# KiCad board pmi_2023.kicad_pcb (continued)
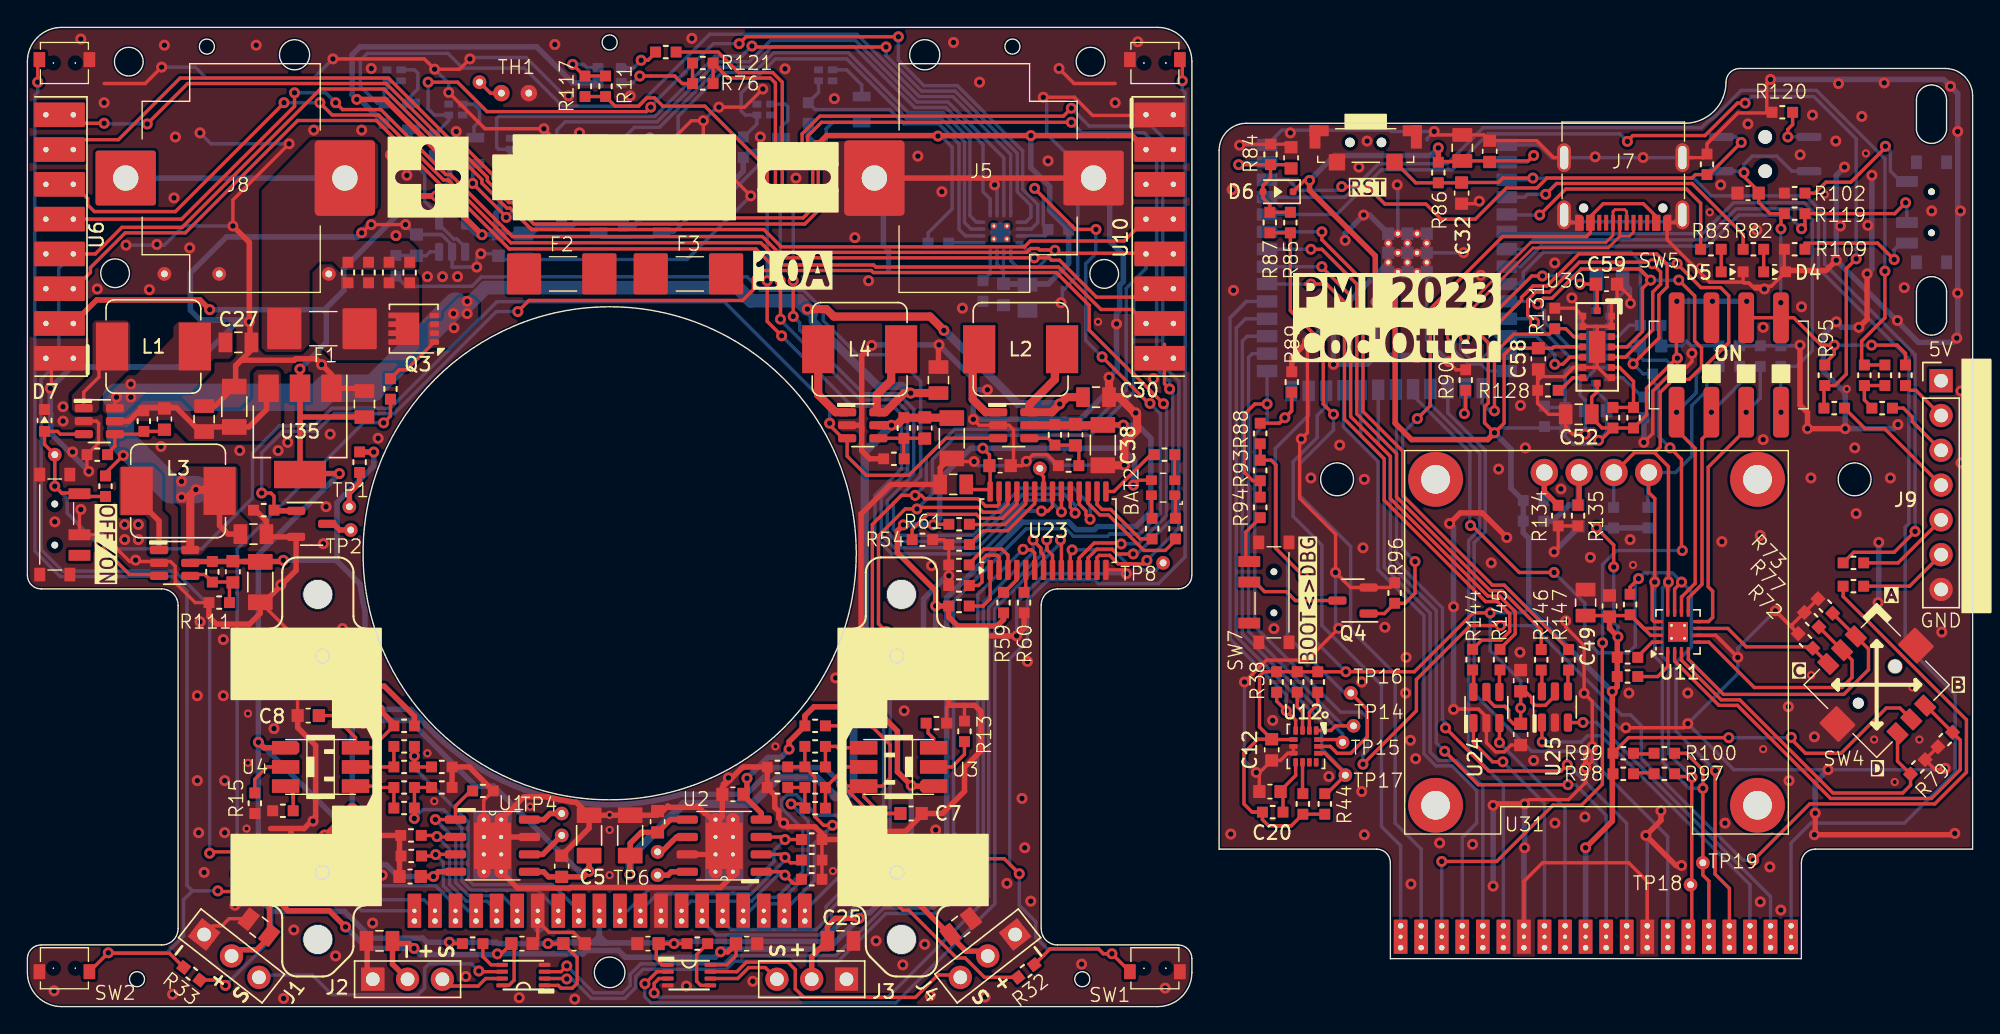
[diagram p0: board, top side]
## Routing (per net, layer and track width the routed paths; a pad name or vN(x,y) marks a point on that pad's centre or on a via; arc(x,y) is an arc through that point) (continued)
  Bottom w0.25: v1(116.79,63.17) 116.24,63.72 106.61,63.72 103.99,61.1 98.82,61.1 95.56,57.84 U32.36 ; v1(133.49,54.6) 133.49,63.36 130.4,66.45 125.86,66.45 v1(125.38,65.97) 125.38,65.91 125.39,65.9
/boards interface/com/esp32_dbg_tx_3v3: length 3.4
  Top w0.25: R92.2 R91.2 134.09,44.3 134.64,43.75 R137.1
/boards interface/com/esp32_vbatt_mon_1v8: length 11.5
  Top w0.25: R84.2 90.74,60.5 90.19,59.95 D6.2 90.19,59.05 90.69,58.55 R87.1 R85.1 ; R84.2 91.96,61.47 C33.1 ; R84.2 v1(88.41,61.47) 88.39,61.5
  Bottom w0.25: U32.39 88.59,61.65 v1(88.41,61.47)
/boards interface/com/i_prop_left_3v3: length 42.9
  Bottom w0.25: 102.39,45.1 102.39,44.01 106.01,40.39 106.01,34.85 105.2,34.03 105.2,18.72 107.74,16.19 J49.6
/boards interface/com/i_prop_right_3v3: length 49.5
  Bottom w0.25: U32.17 103.68,43.36 106.41,40.62 106.41,34.68 105.6,33.87 105.6,22.85 109.8,18.65 113.5,18.65 119.74,12.42 J49.14
/boards interface/com/led_com_3v3: length 18.9
  Top w0.25: 121.84,55.15 121.94,55.25 ; v1(110.39,57.8) 112.29,59.7 121.1,59.7 122.14,58.66 R83.1
  Bottom w0.25: v1(110.39,57.8) 108.03,57.8 U32.5
/boards interface/com/led_esp_3v3: length 20.3
  Top w0.25: R82.1 125.24,56.38 121.51,60.1 111.61,60.1 v1(110.83,59.31)
  Bottom w0.25: v1(110.83,59.31) 109.5,59.31 109.3,59.11 U32.4
/boards interface/com/left_encod_A_3v3: length 39
  Top w0.25: 93.29,52.76 94.83,52.76 96.14,51.45 96.14,42.9 99.04,40 99.04,36.98 106.44,29.58 107.3,29.58 108.2,28.67 108.2,27.39 107.57,26.76 106.16,26.76 R144.2
  Bottom w0.25: 93.29,52.76 U32.32
  vias: v1(93.69,52.76)
/boards interface/com/left_encod_B_3v3: length 38.8
  Top w0.25: v1(94.49,54.03) 94.49,54 96.59,51.9 96.59,43.09 99.49,40.19 99.49,37.09 106.61,29.97 107.47,29.97 108.6,28.84 108.6,27.22 107.49,26.11 R145.2
  Bottom w0.25: U32.33 v1(94.49,54.03)
/boards interface/com/pwm_left: length 45.1
  Bottom w0.25: U32.23 96.06,42.33 98.59,39.8 98.59,31.9 101.94,28.55 101.94,18.45 102.82,17.57 104,17.57 105.79,15.79 105.79,13.4 104.74,12.35 J49.4
/boards interface/com/pwm_right: length 51
  Top w0.25: v1(112.45,16.2) 105.9,16.2 v1(103.45,18.65)
  Bottom w0.25: v1(112.45,16.2) 113,16.2 115.24,13.96 J49.11 ; v1(103.45,18.65) 102.84,19.26 102.84,28.92 99.49,32.27 99.49,40.17 98.6,41.06 U32.21
/boards interface/com/right_encod_A_3v3: length 42.9
  Top w0.25: 100.39,37.32 106.94,30.78 107.8,30.78 112.5,26.08 R147.2 ; 100.39,37.32 100.39,37.8 ; 100.39,37.32 100.39,37.8 ; v1(94.49,56.57) 94.49,56 97.49,53 97.49,43.46 100.39,40.56 100.39,37.8
  Bottom w0.25: U32.35 v1(94.49,56.57)
/boards interface/com/right_encod_B_3v3: length 40.4
  Top w0.25: R146.2 110.5,27.51 107.63,30.38 106.77,30.38 99.94,37.21 99.94,40.37 97.04,43.27 97.04,52.75 94.49,55.3 v1(93.69,55.3)
  Bottom w0.25: U32.34 v1(93.69,55.3)
/boards interface/com/start_robot_3v3: length 40
  Top w0.25: v1(95.94,59.88) 97.81,59.88 99.09,58.6 102.09,58.6 103.19,57.5 105.69,57.5 107.96,59.78 110.19,59.78 110.91,60.5 121.5,60.5 121.75,60.75 R122.1 122.75,60.75 v1(125.1,63.1)
  Bottom w0.25: v1(95.94,59.88) 95.66,59.6 92.81,59.6 92.03,60.38 U32.38 ; U18.4 124.7,63.5 v1(125.1,63.1)
/boards interface/com/USB_D+: length 24.7
  Top w0.2: J7.A6 116.74,58.05 116.59,58.2 115.89,58.2 115.74,58.05 J7.B6 115.74,56.32 115.22,55.8 109.74,55.8 104.25,50.31 104.25,49.2 v1(103.95,48.9) 104,48.9
  Bottom w0.2: U32.14 106.59,46.41 106.1,46.9 105.2,46.9 104.2,47.9 104.2,48.65 v1(103.95,48.9)
/boards interface/com/USB_D-: length 23.2
  Top w0.2: v1(104.9,48.89) 104.6,49.19 104.6,50.1 109.9,55.4 115.39,55.4 116.24,56.25 ; J7.B7 117.24,56.55 116.94,56.25 116.24,56.25 ; J7.A7 116.24,56.25
  Bottom w0.2: v1(104.9,48.89) 104.6,48.59 104.6,47.99 105.34,47.25 106.1,47.25 106.53,47.68 U32.13
/boards interface/com/USB_VBUS: length 47.2
  Top w0.25: v1(101.29,32.5) 101.29,30.19 100.55,29.45 R96.1 99.05,28.7 Q4.1 ; J7.A4 118.89,57.69 117.95,58.62 115.02,58.62 114.09,57.69 J7.A9 114.09,56.5 113.81,56.22 107.68,56.22 102.4,50.94 102.4,43.87 v1(101.46,42.93)
  Bottom w0.25: v1(101.29,32.5) 100.39,33.4 100.39,41.86 v1(101.46,42.93)
/boards interface/i2C_io_int_3v3: length 98
  Top w0.25: v1(81.94,44.05) 81.84,44.05 v1(78.44,47.44) ; 67.6,11.6 67.03,12.18 61.68,12.18 61.5,12 v1(61,12) ; v1(78,56.75) 76.5,56.75 73.52,59.73 v1(73.52,59.75)
  Bottom w0.25: J50.17 52.73,7 53.73,8 54.73,8 56.59,9.86 56.59,12.96 55.07,14.49 55.07,15.08 55.46,15.47 56.12,15.47 57.63,13.97 59.03,13.97 v1(61,12) ; v1(81.94,44.05) 82.7,43.29 82.7,36.03 81.18,34.51 79.01,34.51 78.86,34.36 76.35,34.36 75.81,34.9 72.92,34.9 67.6,29.58 67.6,12.7 67.85,12.45 v1(67.85,11.6) ; U7.11 74.28,56.28 74.75,56.75 ; v1(73.52,59.75) 74.15,59.12 74.15,57.1 R9.2 ; v1(78,56.75) 78,55 77.25,54.25 77.25,48.64 v1(78.44,47.44) 78.5,47.44
  Bottom w0.4: J50.17 J50.17
/boards interface/i2c_io_int_3v3: length 70.1
  Top w0.25: v1(117.6,31.25) 116.99,30.64 R115.2 ; v1(120.74,31) 120.24,30.5 U11.11 ; v1(123.21,17.22) 123.19,17.2 123.19,9.68 124.24,8.62 J49.17 ; v1(111.44,31.7) 108.89,31.7 105.46,35.12 v1(105.34,35.12)
  Bottom w0.25: v1(123.21,17.22) 120.34,20.1 120.34,25.14 121.46,26.26 121.46,30.27 v1(120.74,31) 120.74,31 120.07,31.67 118.03,31.67 v1(117.6,31.25) 117.36,31.01 117.36,26.33 116.86,25.83 114.69,25.83 113.69,26.82 113.69,29.45 v1(111.44,31.7) ; v1(105.34,35.12) 105.29,35.17 105.29,40.48 101.14,44.62 U32.19
/boards interface/i_prop_left_3v3: length 15.5
  Top w0.25: v1(29.78,13.66) 29.78,13.66 U1.1 31.25,14.65 32.35,15.75 R7.1
  Bottom w0.25: J50.6 34.65,8.1 32.21,8.1 31.26,9.05 31.26,12.18 v1(29.78,13.66)
  Bottom w0.4: J50.6 J50.6
/boards interface/i_prop_right_3v3: length 12.7
  Top w0.25: v1(55.3,9.6) 55.06,9.84 U2.1 ; v1(55.3,9.6) 55.9,9 56.5,9 ; v1(55.3,9.6) 55.29,9.59
  Bottom w0.25: J50.14 48.45,7.7 52.87,7.7 54.77,9.6 v1(55.3,9.6)
  Bottom w0.4: J50.14 J50.14
/boards interface/interface/conf0: length 21.1
  Top w0.25: U11.10 120.74,29.9 121.74,30.9 121.74,40.76 120.37,42.13 120.37,43.63
  Bottom w0.25: v1(120.38,43.4) 121.8,44.82 121.8,46.1 122.45,46.75 R68.1
/boards interface/interface/conf1: length 19.8
  Top w0.25: 122.91,43.63 122.91,42.11 122.24,41.44 122.24,30.84 121.24,29.84 U11.9
  Bottom w0.25: R69.1 124.99,45.47 v1(122.92,43.4)
/boards interface/interface/conf2: length 21.5
  Top w0.25: 125.45,43.63 125.45,42.15 122.69,39.39 122.69,30.66 123.01,30.34 123.01,28.41 122.71,28.11 U11.8
  Bottom w0.25: R70.1 126.49,44.43 v1(125.46,43.4)
/boards interface/interface/conf3: length 39.5
  Bottom w0.25: U32.7 109.24,55.3 109.92,55.98 122.46,55.98 124.72,58.25 129.5,58.25 130.29,57.46 130.29,47.9 129.14,46.75 R71.1 127.99,43.41 v1(128,43.4)
/boards interface/interface/select0: length 25.8
  Top w0.25: U11.3 120.74,25.3 123.63,22.4 124.99,22.4 131.79,15.6 136.89,15.6 137.46,16.17 R79.1 136.51,17.92 SW4.6
/boards interface/interface/select1: length 20.8
  Top w0.25: U11.4 121.24,25.36 123.8,22.8 132.59,22.8 134.39,24.6 134.39,26.12 SW4.1 133.45,27.04 R73.1
/boards interface/interface/select2: length 10.6
  Top w0.25: SW4.3 131.45,25.04 130.22,26.27 125.47,26.27 124.13,27.61 U11.7
/boards interface/interface/select3: length 32.4
  Top w0.25: SW4.4 138.57,21.98 R78.1 141.09,19.46 141.09,17.3 138.99,15.2 131.62,15.2 124.82,22 123.47,22 120.24,25.23 U11.2
/boards interface/interface/select4: length 17.7
  Top w0.25: U11.5 122.74,26.61 126.05,23.3 132.45,23.3 133.19,24.04 133.19,25.3 SW4.2 R77.1
/boards interface/left_encod_raw_A_3v3: length 18.2
  Top w0.25: U24.1 105.55,19.28 106.95,17.88 v1(107.7,17.88)
  Bottom w0.25: J49.8 110.74,14.84 v1(107.7,17.88)
/boards interface/left_encod_raw_B_3v3: length 17.6
  Top w0.25: v1(107.45,19.28) U24.3
  Bottom w0.25: v1(107.45,19.28) 107.45,19.28 112.24,14.49 J49.9
/boards interface/right_encod_raw_A_3v3: length 23.1
  Top w0.25: U25.3 113.54,20.74 v1(113.55,20.75)
  Bottom w0.25: J49.19 127.24,8.04 114.52,20.75 113.62,20.75 113.55,20.68 v1(113.55,20.75)
/boards interface/right_encod_raw_B_3v3: length 25.1
  Top w0.25: U25.1 110.55,19.35 v1(110.57,19.32)
  Bottom w0.25: J49.18 125.74,8.9 114.86,19.78 113.88,19.78 113.43,19.32 v1(110.57,19.32)
/boards interface/scl_top_3v3: length 88.7
  Top w0.25: 117.67,53.86 113.43,53.86 111.29,51.72 110.66,51.72 v1(110.24,51.3) ; 117.67,53.86 v1(118.49,53.05) 117.89,52.45 117.89,49.3 116.76,48.17 U30.C4 ; 117.67,53.86 118.19,53.35 ; U11.12 119.74,30.95 v1(119.79,31) 119.79,39.43 118.77,40.45 ; 118.77,40.45 117.31,40.45 115.76,38.9 ; 118.77,40.45 119.19,40.87 119.19,44.85 120.13,45.8 121.3,45.8 122.2,46.7 122.2,48.1 121.7,48.6 121.7,51.89 v1(120.54,53.05) ; 120.16,17.1 120.46,16.8 121.46,16.8 v1(121.51,16.74) 121.49,16.72 121.49,5.35 J49.15 ; 118.49,52.75 118.19,53.05
  Bottom w0.25: v1(121.51,16.74) 119.79,18.47 119.79,25.13 119.35,25.57 119.35,30.56 v1(119.79,31) ; U22.C4 112.57,48.17 110.74,50 110.74,50.8 v1(110.24,51.3) ; U32.10 110.05,51.49 ; 115.76,38.9 115.79,38.87 R80.2 ; v1(118.49,53.05) v1(120.54,53.05)
/boards interface/sda_top_3v3: length 97.1
  Top w0.25: v1(118.79,31) 118.6,30.81 118.6,28.25 118.74,28.11 U11.13 ; v1(118.79,31) 118.79,37.1 118.35,37.54 U31.4 ; v1(118.79,31) 118.86,30.92 ; v1(120.43,54.24) 122.16,52.5 123.6,52.5 124.19,51.91 124.19,48.49 122.6,46.9 v1(122.6,45.92) ; U30.C3 116.64,47.42 118.64,49.41 118.64,52.17 119.21,52.75 119.21,53.64 v1(118.62,54.24) 118.5,54.36 113.28,54.36 111.1,52.17 110.09,52.17 109.51,51.6 109.51,50.47 v1(110.01,49.97) ; J49.16 122.74,9.16 122.3,9.6 v1(122.3,15.94) 122.3,17.29 121.09,18.5 120.36,18.5 120.16,18.7
  Bottom w0.25: v1(122.3,15.94) 121.29,15.94 119.34,17.89 119.34,25.01 118.79,25.56 118.79,31 v1(118.79,31) ; v1(118.62,54.24) v1(120.43,54.24) ; U22.C3 112.57,47.42 109.77,50.22 U32.11 ; R81.2 118.29,38.89 118.3,38.9 ; v1(122.6,45.92) 122.6,45 121.5,43.9 121.5,40.2 120.3,39 U31.4
/boards interface/Sensor module/enable_back_tof_3v3: length 13.9
  Top w0.25: U30.A5 112.87,48.92 112.29,49.5 R131.1 111.09,49.1 108.49,49.1 107.09,47.7 v1(107.09,43.5)
  Bottom w0.25: v1(107.09,43.5) 106.74,43.5 106.19,44.05 106.19,45.2
/boards interface/Sensor module/enable_front_tof_3v3: length 18.6
  Bottom w0.25: U32.9 108.9,52.76 109.19,53.05 109.19,53.61 110.66,55.08 117.05,55.08 117.74,54.4 R127.1 116.94,49.75 116.11,48.92 U22.A5
/boards interface/Sensor module/gyro_irq_3v3: length 38.6
  Top w0.25: R38.2 91.19,22.3 v1(91.89,21.6) 92.58,20.91 U12.4
  Bottom w0.25: 87.89,50.4 88.99,51.5 ; 87.89,50.4 87.79,50.3 87.79,26.85 91.89,22.75 v1(91.89,21.6) 91.84,21.65 ; 87.89,50.4 88.98,51.49 U32.31
/boards interface/Sensor module/gyro_miso_3v3: length 34.6
  Top w0.25: U12.1 95.15,20.16 95.49,20.5 96.69,20.5
  Bottom w0.25: 96.69,20.5 96.05,20.5 89.14,27.41 89.14,47.4 89.42,47.68 U32.28
/boards interface/Sensor module/gyro_mosi_3v3: length 36.1
  Top w0.25: U12.14 95.8,19.5 TP15.1
  Bottom w0.25: U32.29 89.04,48.95 88.69,48.6 88.69,27.22 96,19.91 TP15.1
/boards interface/Sensor module/gyro_ncs_3v3: length 42.9
  Top w0.25: TP17.1 94.85,15.55 R44.2 ; U12.12 94.7,18.5 96.2,17
  Bottom w0.25: U32.30 88.91,50.22 88.24,49.55 88.24,27.04 94.49,20.79 94.49,18.81 96.2,17.1
/boards interface/Sensor module/gyro_sck_3v3: length 33.6
  Top w0.25: U12.13 95.1,19 95.6,18.5 96.6,18.5 97.8,19.7 97.8,21.7 TP16.1
  Bottom w0.25: U32.25 93.52,43.19 91.09,40.75 91.09,33.5 91.99,32.6 91.99,27.05 96.14,22.9 TP16.1
/boards interface/Sensor module/VL53L5_I2C_RST_u22_3v3: length 3.1
  Bottom w0.25: U22.A1 116.47,45.92 117.89,44.5 R124.1
/boards interface/Sensor module/VL53L5_I2C_RST_u30_3v3: length 2.2
  Top w0.25: U30.A1 112.81,45.92 111.89,45 R128.1
/boards interface/tof_irq_3v3: length 91.8
  Top w0.25: v1(117.21,46.93) 119.09,48.81 119.09,51.95 119.69,52.55 119.69,54.19 118.92,54.96 113.25,54.96 110.91,52.62 109.9,52.62 109.06,51.79 109.06,51.58 v1(106.84,49.35) ; v1(111.49,46.9) 112.07,46.9 112.59,47.42 U30.A3 ; v1(119.9,40.8) 120.74,39.96 120.74,33.36 v1(120.8,33.3) ; v1(114.98,26.56) 114.96,26.55 114.96,16.24 113.44,14.71 111.36,14.71 107.25,10.6 v1(103.24,10.6)
  Bottom w0.25: v1(111.49,46.9) 111.49,47.6 110.14,48.95 U32.12 107.23,48.95 v1(106.84,49.35) ; J49.3 v1(103.24,10.6) ; v1(119.9,40.8) 119.04,41.66 119.04,45.25 118.64,45.65 R123.2 117.94,46.2 v1(117.21,46.93) 117.27,47 117.29,47 116.87,47.42 U22.A3 ; v1(120.8,33.3) 116,33.3 114.98,32.28 v1(114.98,26.56)
/power_supply/+batt_fuse: length 0
  Top w0.25: 23.74,49.26 23.75,49.25
/power_supply/+batt_unprotected: length 16.6
  Top w0.4: 22.38,59.88 22.38,60.5
  Bottom w0.4: 22.38,60.5 6.38,60.5
/power_supply/enable_pw_conv_3v7: length 104.9
  Top w0.25: U29.3 67.05,41.5 64.35,38.8 61.23,38.8 59.84,40.19 U34.3 59.52,41.5 58.56,42.46 v1(58.56,42.6) ; 9.61,31.55 7.46,31.55 v1(5.3,33.7) ; 2,40 v1(2,38) 2.5,37.5 3.75,37.5 4,37.25 R114.2 ; U28.3 2.4,41.8 2.2,42 D7.A 1.25,41.05 TP11.1
  Bottom w0.25: v1(2,38) 2.9,37.1 2.9,36.03 5.23,33.7 v1(5.3,33.7) 6,33.7 6.28,33.42 12.72,33.42 16.42,37.12 16.42,40.42 18.4,42.4 20.93,42.4 22.23,43.7 26.5,43.7 34.28,51.47 50.87,51.47 58.56,43.78 v1(58.56,42.6)
/power_supply/Vmot_left_5V: length 60.8
  Top w0.4: R8.2 24.26,40.49 v1(25.28,40.49) ; 11.89,32.5 15.84,32.5 ; 15.84,32.5 16.97,32.5 C43.1 ; 15.84,32.5 18.59,32.5 v1(18.68,32.59) ; C5.1 v1(41,9.88) 40.59,9.47 C3.1 38.04,9.47 37.68,9.84 U1.5
  Bottom w0.4: v1(18.68,32.59) 22.55,32.59 ; 22.55,32.59 24.29,30.85 24.33,30.51 24.47,29.65 24.64,28.86 24.64,21.62 25.36,20.9 27.9,20.9 32.7,16.1 34.03,16.1 40.25,9.88 v1(41,9.88) ; 22.55,32.59 22.6,32.54 22.6,36.8 23.15,37.35 23.15,37.35 25.28,39.48 v1(25.28,40.49)
/power_supply/Vmot_right_5V: length 62.3
  Top w0.4: 67.45,43 C44.1 ; v1(43.97,9.63) 43.97,11 C6.1 44,11.92 44.81,12.72 C4.1 46.93,13.66 48.16,13.66
  Top w0.6: 67.45,43 R112.1 63.43,42.45 U34.5 v1(63.07,42.45)
  Bottom w0.6: v1(63.07,42.45) 61.12,40.5 61.12,27.37 60.3,26.55 60.3,15.85 59.76,15.3 59,15.3 57.57,16.73 54.83,16.73 52.9,14.8 47.9,14.8 43.97,10.87 v1(43.97,9.63)
/propulsion/dir_left: length 11.4
  Top w0.25: R1.1 29.81,12.5 v1(29.89,12.42) 29.93,12.38 U1.2
  Bottom w0.25: v1(29.89,12.42) 30.81,11.5 30.81,8.93 32.05,7.7 33.55,7.7 J50.5
  Bottom w0.4: J50.5 J50.5
/propulsion/dir_right: length 16.3
  Top w0.25: v1(55.3,10.9) 55.7,10.5 56.5,10.5 ; v1(55.3,10.9) 55.09,11.12 U2.2 ; v1(55.3,10.9) 55.26,10.87
  Bottom w0.25: J50.12 45.97,8.22 52.82,8.22 55.3,10.7 v1(55.3,10.9)
  Bottom w0.4: J50.12 J50.12
/propulsion/encoder_supply: length 67.1
  Top w0.25: R29.1 25.15,18.9 U4.6 23.95,19.65 22.35,21.25 C8.1 ; R30.1 61.6,20.5 62.98,19.12 62.98,16.7 62.38,16.1 U3.6 ; U3.6 61.05,15.32 62.28,14.1 C7.1 61.55,14.1 v1(59.45,16.2) 59.55,16.1 U3.6
  Top w0.4: R29.1 26.75,20.64 v1(25.69,21.7)
  Bottom w0.4: v1(25.69,21.7) 28.01,21.7 28.56,21.15 29.14,20.51 29.75,19.89 30.39,19.3 31.05,18.75 31.74,18.22 32.46,17.73 33.2,17.27 33.95,16.85 34.73,16.47 35.52,16.12 36.33,15.81 37.16,15.54 37.99,15.3 38.84,15.11 39.69,14.96 40.55,14.85 41.42,14.77 42.28,14.74 43.15,14.75 44.02,14.81 44.88,14.9 45.74,15.03 46.58,15.2 47.43,15.42 47.7,15.5 52.48,15.5 54.43,17.45 58.2,17.45 v1(59.45,16.2)
/propulsion/left_encod_A_3v3: length 20.4
  Top w0.25: v1(28.24,13.74) 28.25,13.75 R28.2 28.25,15.91 28.33,15.99 ; R26.2 R27.1
  Bottom w0.25: v1(28.24,13.74) 28.88,14.38 30.38,14.38 31.72,13.04 31.72,9.16 32.38,8.5 37.25,8.5 J50.8
  Bottom w0.4: J50.8 J50.8
/propulsion/left_encod_B_3v3: length 23.2
  Top w0.25: R20.2 R24.2 R21.1
  Bottom w0.25: J50.9 38.35,8.9 32.54,8.9 32.16,9.28 32.16,13.5 28.25,17.42 v1(28.25,18.3)
  Bottom w0.4: J50.9 J50.9
/propulsion/mot_left_A: length 2.9
  Top w0.4: U1.6 37.62,11.12 TP3.1
/propulsion/mot_left_B: length 2.6
  Top w0.4: 39,14 38.9,14.1 38.15,14.1 37.71,13.66 U1.8
/propulsion/mot_right_A: length 2.7
  Top w0.4: 46,11 47.38,12.38 48.16,12.38
/propulsion/mot_right_B: length 2.3
  Top w0.4: TP6.1 46.75,9.6 47,9.84 48.16,9.84
/propulsion/pwm_left: length 8.9
  Top w0.25: U1.3 29.81,11.12 v1(29.8,11.1) 29.7,11 R3.1
  Bottom w0.25: v1(29.8,11.1) 30.37,10.53 30.37,8.81 32.18,7 J50.4
  Bottom w0.4: J50.4 J50.4
/propulsion/pwm_right: length 18.5
  Top w0.25: U2.3 54.99,12.38 55.24,12.13 ; v1(55.3,12.2) 56.3,12.2 56.5,12
  Bottom w0.25: J50.11 43.8,7 45.47,8.68 52.57,8.68 54.5,10.59 54.5,11.4 v1(55.3,12.2)
  Bottom w0.4: J50.11 J50.11
/propulsion/pwm_vaccum_3v3: length 100.4
  Top w0.25: R5.1 18,37.27 17.77,37.5 v1(17.1,37.5) ; U23.11 76.78,32.76 77.87,33.85 79.77,33.85 v1(79.84,33.78) ; v1(35.8,50.75) 36.61,51.56 52.2,51.56 53,52.36 53,53.2 53.55,53.75 61.6,53.75 61.75,53.6 75.11,53.6 77.5,51.21 77.5,49.4 80.74,46.17 80.78,46.17 v1(82.93,44.02)
  Top w0.4: R5.1 18.05,36.2 Q1.1
  Bottom w0.25: v1(35.8,50.75) 34.23,50.75 26.78,43.3 22.4,43.3 21.1,42 18.67,42 17.1,40.43 v1(17.1,37.5) ; v1(82.93,44.02) 83.15,43.79 83.15,35.84 81.1,33.78 v1(79.84,33.78)
/propulsion/right_encod_A_3v3: length 16.7
  Top w0.25: v1(58.77,13.24) 58.11,13.24 57.47,13.88 57.47,16.78 R22.2 ; R23.1 R22.2 ; R22.2 R25.2
  Bottom w0.25: J50.19 57.44,9.19 57.44,11.91 v1(58.77,13.24)
  Bottom w0.4: J50.19 J50.19
/propulsion/right_encod_B_3v3: length 14.6
  Top w0.25: v1(55.74,14.8) 56.44,14.8 R19.2 R17.2 R18.1
  Bottom w0.25: J50.18 54.25,7.5 54.8,7.5 56.99,9.69 56.99,13.55 v1(55.74,14.8)
  Bottom w0.4: J50.18 J50.18
/sensors/ctc_left: length 108.7
  Top w0.25: v1(79.16,3.86) 78.86,3.86 ; v1(79.16,3.86) SW1.2 ; v1(79.16,3.86) 78.54,3.86 78.18,4.22 74.65,4.22 R32.2 ; v1(59.7,10.5) 62,10.5 62.3,10.8 71.3,10.8 v1(72.4,9.7) ; v1(84.3,67.6) 84.3,68.97 SW6.2
  Bottom w0.25: v1(59.7,10.5) 59.7,9.95 J50.20 ; v1(84.3,67.6) 84.3,66.95 84.5,66.75 84.5,32.83 82.55,30.89 78.18,30.89 77.9,31.16 74.5,31.16 73,29.66 73,26.7 71.7,25.4 71.7,10.4 v1(72.4,9.7) 72.4,7.4 73.6,6.2 73.6,5.05 74.45,4.2 78.2,4.2 78.54,3.86 v1(79.16,3.86)
  Bottom w0.4: J50.20 J50.20
/sensors/ctc_right: length 105.4
  Top w0.25: SW2.1 v1(5.9,3.93) 5.93,3.9 10.37,3.9 R33.2 ; v1(19.4,7.75) 18.75,8.4 13.95,8.4 v1(13.9,8.45) ; SW9.1 0.75,69.03 v1(0.75,67.5)
  Bottom w0.25: v1(13.9,8.45) 12.05,8.45 ; 12.05,8.45 11.65,8.85 11.65,30.35 10.6,31.4 2.4,31.4 0.55,33.25 0.55,66.55 0.75,66.75 v1(0.75,67.5) ; 12.05,8.45 11.4,7.8 11.4,5.15 10.18,3.93 v1(5.9,3.93) ; J50.1 24.4,7 23.7,7.7 19.45,7.7 v1(19.4,7.75)
  Bottom w0.4: J50.1 J50.1
/sensors/enable_tof1: length 91.3
  Top w0.25: U10.7 80.63,50.9 78.37,50.9 75.27,54 61.92,54 61.77,54.15 54.35,54.15 53.18,55.33 35.17,55.33 34.3,56.19 34.3,56.2 30.54,59.96 30.21,59.96 25.47,64.7 19.73,64.7 11.53,56.5 7.15,56.5 4.6,53.95 4.6,53.6 3.42,52.42 1.75,52.42
/sensors/line_detect_l0: length 49.7
  Bottom w0.25: R36.2 39,58.6 39.75,59.35 U8.1 38.9,60.1 38.65,60.35 38.65,64 39.25,64.6 45.97,64.6 50.37,69 52.7,69 54.25,70.55 60.44,70.55 64.94,66.05 67.2,66.05 71.28,61.97 71.28,57.92
/sensors/line_detect_l1: length 54.9
  Top w0.25: v1(52.89,70.14) 52.96,70.07 v1(62.68,70.07)
  Bottom w0.25: v1(52.89,70.14) 52.15,69.4 50.2,69.4 45.8,65 34.4,65 34.25,64.85 34.25,62.75 34.4,62.6 U13.1 35.25,62.25 34.5,61.5 R42.2 ; v1(62.68,70.07) 62.68,69.44 65.27,66.85 67.72,66.85 72.25,62.32 72.25,59.5 73.25,58.5 73.25,57.65 72.88,57.28 U7.9
/sensors/line_detect_l2: length 63.8
  Top w0.25: v1(51.95,70.31) 52.46,70.81 v1(63.57,70.81) ; v1(29.25,67.5) 31.4,67.5 33.55,65.35 45.17,65.35 v1(45.5,65.68)
  Bottom w0.25: R48.2 30.75,64.7 U15.1 29.71,65.1 29.25,65.56 v1(29.25,67.5) ; v1(63.57,70.81) 63.57,69.11 65.43,67.25 67.88,67.25 72.65,62.48 72.65,59.67 73.75,58.57 73.75,57.25 73.28,56.78 U7.10 ; v1(45.5,65.68) 45.5,65.75 50.06,70.31 v1(51.95,70.31)
/sensors/line_detect_l3: length 65.2
  Bottom w0.25: U19.1 26.25,67.04 26.03,66.82 R52.2 25.51,65.99 24.3,67.2 24.3,69.1 24.81,69.61 30.69,69.61 31.78,68.53 36.28,68.53 39.05,65.75 44.55,65.75 49.8,71 60.55,71 65.1,66.45 67.55,66.45 71.78,62.22 71.78,57.92
/sensors/line_detect_r0: length 43.6
  Bottom w0.25: R37.2 44.25,59.25 U9.1 43.5,60.1 43,60.6 43,62.9 44.3,64.2 46.13,64.2 50.53,68.6 52.87,68.6 54.37,70.1 60.32,70.1 64.77,65.65 67.03,65.65 69.75,62.93 69.75,59.5 70.28,58.97 70.28,57.92
/sensors/line_detect_r1: length 37.8
  Bottom w0.25: U7.4 69.28,57.28 68.8,57.75 68.8,63.32 66.87,65.25 64.32,65.25 59.92,69.65 54.48,69.65 53.03,68.2 50.7,68.2 47.5,65 47.5,62.9 47.8,62.6 U14.1 48.75,61.75 R43.2
/sensors/line_detect_r2: length 31.8
  Bottom w0.25: U7.3 68.88,56.78 68.4,57.25 68.4,63.15 66.7,64.85 64.16,64.85 59.81,69.2 54.6,69.2 52.1,66.7 52.1,65.4 52.4,65.1 U16.1 53.25,64.45 52.3,63.5 R49.2
/sensors/line_detect_r3: length 22.2
  Bottom w0.25: U20.1 57.75,66.75 R53.2 57.5,65.5 62.94,65.5 63.99,64.45 66.54,64.45 68,62.99 68,56.75 68.47,56.28 U7.2
/sensors/line_led_3v3: length 64.4
  Top w0.25: v1(35.65,59.85) 37.46,58.04 48.68,58.04 v1(48.9,58.27) ; v1(34.95,57.63) 34.95,57.66 v1(32.5,60.11)
  Bottom w0.25: 44.1,56.2 45.65,56.2 46,56.55 47.19,56.55 v1(48.9,58.27) 49.69,59.05 R41.1 50.97,59.05 53.47,61.55 R47.1 57.25,61.55 58.3,62.6 58.3,64.1 58.75,64.55 R51.1 ; 44.1,56.2 42.05,56.2 R34.1 ; 44.1,56.2 41.85,56.2 41.5,56.55 ; 36.8,59.05 36.45,59.4 36.1,59.4 v1(35.65,59.85) 35.8,59.85 ; 36.8,59.05 35.95,58.2 35.5,58.2 34.95,57.65 v1(34.95,57.63) 35.03,57.63 35.04,57.64 ; 36.8,59.05 R40.1 ; U5.4 30.05,57.75 32.41,60.11 v1(32.5,60.11) 32.5,61.55 ; U5.4 30.05,57.12 31.12,56.05 31.35,56.05 31.95,55.45 U5.1 ; U5.4 29.94,57.5 29.94,57.86 29,58.8 29,60.8 28,61.8 R50.1
/sensors/tof_irq: length 166
  Top w0.25: U10.4 80.05,55.9 73.2,55.9 72.78,55.47 55.03,55.47 53.76,56.74 36.8,56.74 35.23,58.31 34.99,58.31 33.18,60.12 33.18,60.39 31.45,62.11 30.92,62.11 26.03,67 21.39,67 11.29,56.9 6.9,56.9 4.96,54.96 1.75,54.96 ; v1(13.3,11.2) 13.4,11.3 v1(23.1,11.3)
  Bottom w0.25: U6.4 2.3,53.91 2.3,47.1 1,45.8 1,33.37 2.57,31.8 10.77,31.8 13.3,29.27 v1(13.3,11.2) ; J50.3 31.25,7.36 29.79,8.82 25.58,8.82 v1(23.1,11.3)
  Bottom w0.4: J50.3 J50.3
Net-(BAT2-C_BLUE): length 1.7
  Top w0.25: BAT2.2 82.05,35.7 82,35.65
Net-(BAT2-C_GREEN): length 1.9
  Top w0.25: R63.1 BAT2.4
Net-(BAT2-C_RED): length 1.7
  Top w0.25: BAT2.1 83.8,37.29 R64.1
Net-(D1-C_BLUE): length 4.7
  Top w0.25: R11.2 R117.2 40.65,67.95 v1(39.8,68.8)
  Bottom w0.25: D1.2 40.85,68.55 40.6,68.8 v1(39.8,68.8)
Net-(D1-C_GREEN): length 7.2
  Top w0.25: R121.2 R76.2 47.8,67.4 47.25,67.95 v1(44.7,67.95)
  Bottom w0.25: 44.75,68 v1(44.7,67.95) 44.2,67.45 D1.4
Net-(D1-C_RED): length 3.1
  Top w0.25: R74.2 45.85,69.65 45.3,69.1 v1(44.8,69.1)
  Bottom w0.25: 44.75,69.05 v1(44.8,69.1) 44.25,68.55 D1.1
Net-(D4-PadA): length 1.6
  Top w0.25: D4.A R82.2
Net-(D5-PadA): length 1.6
  Top w0.25: D5.A R83.2
Net-(J9-3V3): length 3.5
  Top w0.25: J9.2 137.85,45 137.44,45 R138.2
Net-(J9-BOOT): length 7
  Top w0.25: J9.6 137.39,30.7 R140.2
  Top w0.4: 139.74,33 139.74,33.4
Net-(J9-NRST): length 7
  Top w0.25: J9.5 136.55,32.4 R139.2
Net-(J9-RXD): length 5
  Top w0.25: R137.2 136.94,43.7 137.59,43.05 137.59,42.72 J9.3
Net-(J9-TXD): length 9.4
  Top w0.25: R136.2 134.14,42.2 135.57,42.2 J9.4
Net-(Q1-D): length 1.9
  Top w0.4: TP2.1 22.8,34.8 22.35,35.25 Q1.3
Net-(Q4-D): length 7
  Top w0.25: SW7.B 89.6,31 90.3,30.3 91.9,30.3 92.55,29.65 Q4.3
Net-(R8-Pad1): length 2.8
  Top w0.4: TP1.1 23.5,37.5 24.25,38.25 R8.1
Net-(R94-Pad2): length 3.7
  Top w0.25: SW7.C 88.94,32.75 88.94,34.65 R94.2
Net-(R97-Pad1): length 1.4
  Top w0.25: 118.66,17.1 118.59,17.03 ; 117.39,17.07 118.69,17.07
Net-(R100-Pad1): length 1.5
  Top w0.25: 117.34,18.68 117.56,18.45 118.41,18.45 118.64,18.68
Net-(R102-Pad1): length 10.8
  Top w0.25: R102.1 130.5,59.4 130.62,59.53 130.62,59.54 131.29,60.2 133.1,60.2 135.62,62.72 v1(135.62,62.82)
  Bottom w0.25: v1(135.62,62.82) 135.99,62.45 135.99,61.01 136.75,60.25 SW3.A
Net-(R109-Pad1): length 8.9
  Top w0.25: 129.74,55.75 135.05,55.75 136.26,54.54 v1(136.26,54.55)
  Bottom w0.25: SW3.C 136.75,55.75 136.26,55.26 v1(136.26,54.55)
Net-(R120-Pad1): length 3.5
  Top w0.25: v1(128.5,63.5) 128.5,64.05 128.85,64.4 R120.1
  Bottom w0.25: U18.1 v1(128.5,63.5)
Net-(TH1-Pad1): length 1.9
  Top w0.25: TP12.1 33.8,66.7 TH1.1
Net-(U3-C1): length 3.6
  Top w0.25: U3.2 67.48,17.5 68.4,18.42 R13.1
Net-(U3-C2): length 1.8
  Top w0.25: U3.3 66.15,19.57 65.75,19.97 65.75,20.5
Net-(U3-E1): length 4.3
  Top w0.25: R22.1 R25.1 59.06,19 59.16,18.9 U3.4
Net-(U3-E2): length 4.9
  Top w0.25: U3.5 59.75,17.5 R17.1 R19.1
Net-(U4-C1): length 3.6
  Top w0.25: U4.2 17.5,17.5 16.6,16.6 R15.1
Net-(U4-C2): length 3.3
  Top w0.25: R16.1 19.4,15.25 ; 19.4,15.25 19.4,15.55 U4.3 19.2,16.1 19.4,15.9 19.4,15.25
Net-(U4-E1): length 4.3
  Top w0.25: R28.1 R26.1 25.7,16 25.6,16.1 U4.4
Net-(U4-E2): length 4.3
  Top w0.25: U4.5 R24.1 R20.1
Net-(U5-+): length 3.3
  Bottom w0.25: R31.2 28.78,54.85 28.8,54.83 29.1,54.83 29.39,55.11 U5.3
Net-(U7-ADDR): length 2.3
  Bottom w0.25: R10.1 70.28,53.53 U7.16
Net-(U7-~{RESET}): length 2.4
  Bottom w0.25: U7.1 67.28,55.78 R12.2
Net-(U8-A): length 3.5
  Bottom w0.25: 41.6,58.55 41.5,58.45 ; 40.91,60.9 41.7,60.9 41.9,60.7 41.9,59.4 41.7,59.2 R34.2
Net-(U9-A): length 3.9
  Bottom w0.25: R35.2 46.3,59.3 46.7,59.7 46.7,60.7 46.5,60.9 45.41,60.9 ; 46.1,58.55 46,58.45
Net-(U11-ADDR): length 2
  Top w0.25: U11.16 118.6,26.61 117.55,25.56 R118.2
